# KiCad board corne-chocolate.kicad_pcb (continued)
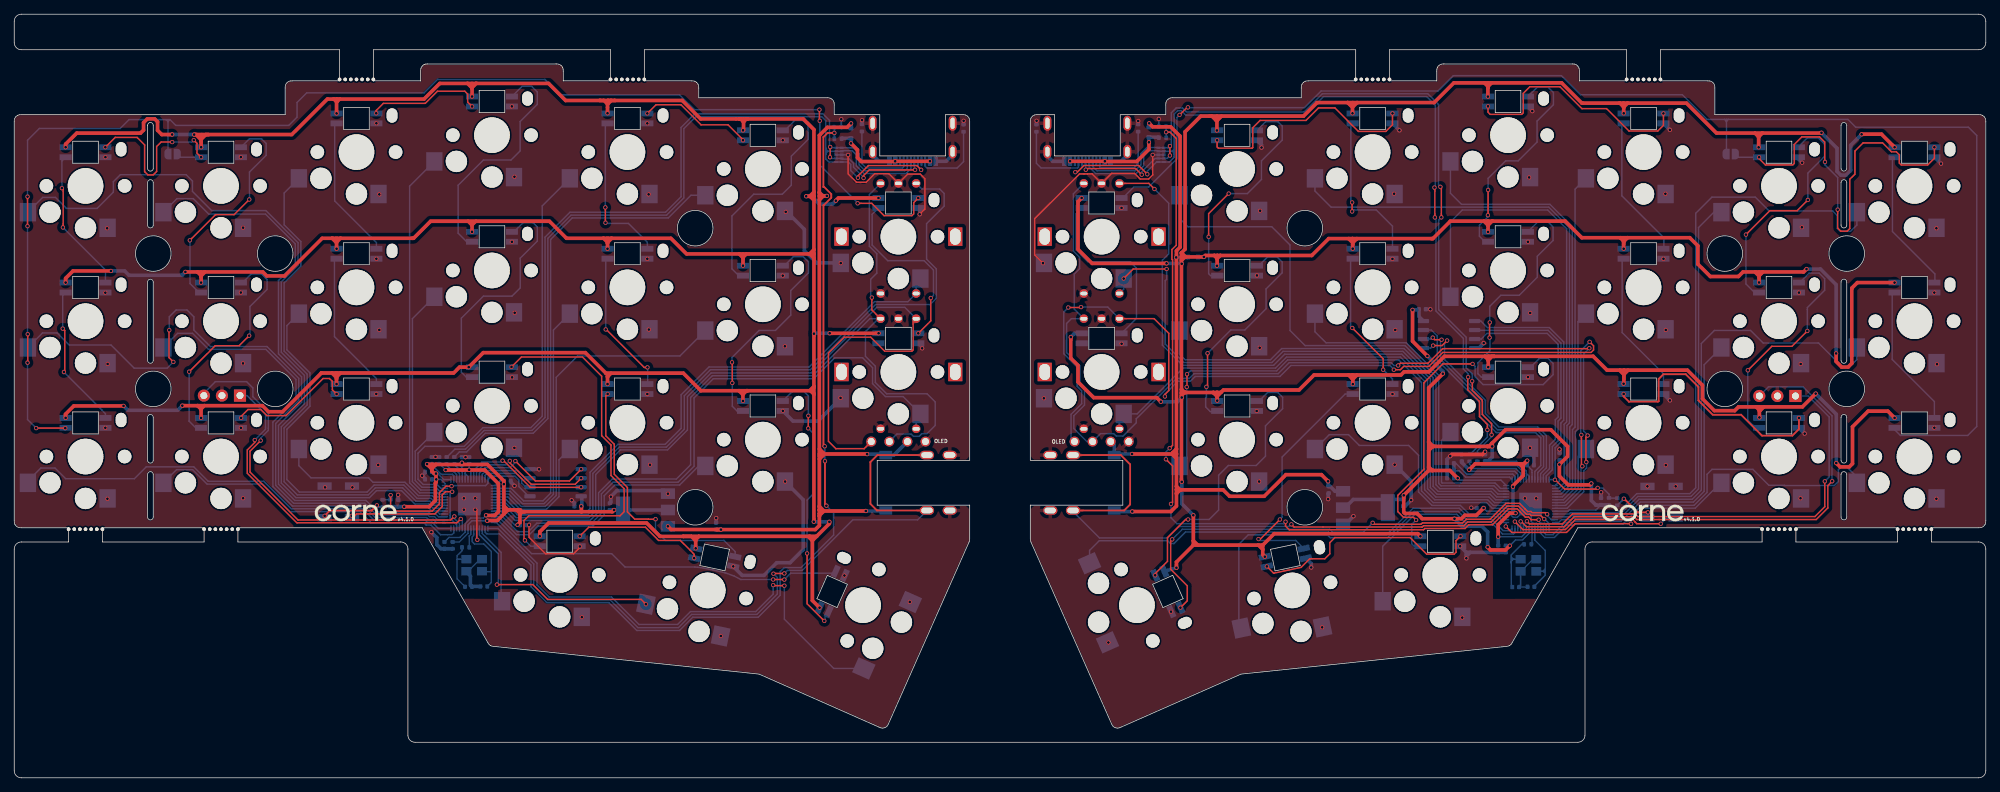
[diagram p0: board, top side]
## Nets
+1V1: C3.1 C4.1 C5.1 U1.23 U1.45 U1.50
+1V1R: rC3.1 rC4.1 rC5.1 rU1.23 rU1.45 rU1.50
+3V3: C7.1 C8.1 C9.1 C10.1 C11.1 C12.1 C13.1 C14.1 C15.1 C16.1 R7.2 U1.1 U1.10 U1.22 U1.32 U1.33 U1.42 U1.43 U1.44 U1.48 U1.49 U2.2 U4.8
+3V3R: rC7.1 rC8.1 rC9.1 rC10.1 rC11.1 rC12.1 rC13.1 rC14.1 rC15.1 rC16.1 rR7.2 rU1.1 rU1.10 rU1.22 rU1.33 rU1.42 rU1.43 rU1.44 rU1.48 rU1.49 rU2.2 rU4.8
+5V: C6.1 D1.2 J2.T J3.3 U2.3 ZD1.1
+5VR: rC6.1 rD1.2 rJ2.T rJ3.3 rU2.3 rZD1.1
GND: C1.2 C2.2 C3.2 C4.2 C5.2 C6.2 C7.2 C8.2 C9.2 C10.2 C11.2 C12.2 C13.2 C14.2 C15.2 C16.2 EXLED1.3 EXLED2.3 EXSW1.C EXSW1.S1 EXSW2.C EXSW2.S1 J1.A1 J1.A12 J1.B1 J1.B12 J1.S1 J2.S J3.4 J4.2 LED1.3 LED2.3 LED3.3 LED4.3 LED5.3 LED6.3 LED7.3 LED8.3 LED9.3 LED10.3 LED11.3 LED12.3 LED13.3 LED14.3 LED15.3 LED16.3 LED17.3 LED18.3 LED19.3 LED20.3 LED21.3 R1.1 R2.1 R9.2 SMDSW1.1 SMDSW2.1 SW1.2 SW2.2 SW3.2 SW4.2 SW5.2 SW6.2 SW7.2 SW8.2 SW9.2 SW10.2 SW11.2 SW12.2 SW13.2 SW14.2 SW15.2 SW16.2 SW17.2 SW18.2 SW19.2 SW20.2 SW21.2 U1.19 U1.57 U2.1 U3.3 U3.8 U4.4 Y1.2 Y1.4
GNDR: rC1.2 rC2.2 rC3.2 rC4.2 rC5.2 rC6.2 rC7.2 rC8.2 rC9.2 rC10.2 rC11.2 rC12.2 rC13.2 rC14.2 rC15.2 rC16.2 rEXLED1.3 rEXLED2.3 rEXSW1.C rEXSW1.S1 rEXSW2.C rEXSW2.S1 rJ1.A1 rJ1.A12 rJ1.B1 rJ1.B12 rJ1.S1 rJ2.S rJ3.4 rJ4.2 rLED1.3 rLED2.3 rLED3.3 rLED4.3 rLED5.3 rLED6.3 rLED7.3 rLED8.3 rLED9.3 rLED10.3 rLED11.3 rLED12.3 rLED13.3 rLED14.3 rLED15.3 rLED16.3 rLED17.3 rLED18.3 rLED19.3 rLED20.3 rLED21.3 rR1.1 rR2.1 rR9.2 rSMDSW1.1 rSMDSW2.1 rSW1.2 rSW2.2 rSW3.2 rSW4.2 rSW5.2 rSW6.2 rSW7.2 rSW8.2 rSW9.2 rSW10.2 rSW11.2 rSW12.2 rSW13.2 rSW14.2 rSW15.2 rSW16.2 rSW17.2 rSW18.2 rSW19.2 rSW20.2 rSW21.2 rU1.19 rU1.32 rU1.57 rU2.1 rU3.3 rU3.8 rU4.4 rY1.2 rY1.4
VBUS: J1.A4 J1.A9 J1.B4 J1.B9 R8.1 ZD1.2
VBUSR: rJ1.A4 rJ1.A9 rJ1.B4 rJ1.B9 rR8.1 rZD1.2
/left/D+: J1.A6 J1.B6 R4.1 U3.1 U3.4 U3.7 U3.10
/left/D-: J1.A7 J1.B7 R5.2 U3.2 U3.5 U3.6 U3.9
/left/KEY1: SW1.1 U1.14
/left/KEY2: SW2.1 U1.12
/left/KEY3: SW3.1 U1.4
/left/KEY4: SW4.1 U1.2
/left/KEY5: SW5.1 U1.41
/left/KEY6: SW6.1 U1.3
/left/KEY7: SW7.1 U1.5
/left/KEY8: SW8.1 U1.18
/left/KEY9: SW9.1 U1.17
/left/KEY10: SW10.1 U1.40
/left/KEY11: SW11.1 U1.39
/left/KEY12: SW12.1 U1.38
/left/KEY13: SW13.1 U1.35
/left/KEY14: SW14.1 U1.36
/left/KEY15: SW15.1 U1.37
/left/KEY16: SW16.1 U1.27
/left/KEY17: SW17.1 U1.29
/left/KEY18: SW18.1 U1.31
/left/KEY19: SW19.1 U1.34
/left/KEY20: SW20.1 U1.30
/left/KEY21: SW21.1 U1.28
/left/KEYEX1: EXSW1.S2 U1.6
/left/KEYEX2: EXSW2.S2 U1.11
/left/LED: LED1.4 U1.13
/left/QSPI_SCLK: U1.52 U4.6
/left/QSPI_SD0: U1.53 U4.5
/left/QSPI_SD1: U1.55 U4.2
/left/QSPI_SD2: U1.54 U4.3
/left/QSPI_SD3: U1.51 U4.7
/left/QSPI_SS: R6.1 R7.1 U1.56 U4.1
/left/RE0A: EXSW1.A U1.7
/left/RE1A: EXSW2.A J3.1 U1.8
/left/REB: EXSW1.B EXSW2.B J3.2 U1.9
/left/SWCLK: J4.1 U1.24
/left/SWD: J4.3 U1.25
/left/TX: J2.R U1.15
/left/USB_VBUS_PIN: R8.2 R9.1 U1.16
/right/D+: rJ1.A6 rJ1.B6 rR4.1 rU3.1 rU3.4 rU3.7 rU3.10
/right/D-: rJ1.A7 rJ1.B7 rR5.2 rU3.2 rU3.5 rU3.6 rU3.9
/right/KEY1: rSW1.1 rU1.30
/right/KEY2: rSW2.1 rU1.34
/right/KEY3: rSW3.1 rU1.38
/right/KEY4: rSW4.1 rU1.39
/right/KEY5: rSW5.1 rU1.3
/right/KEY6: rSW6.1 rU1.40
/right/KEY7: rSW7.1 rU1.31
/right/KEY8: rSW8.1 rU1.28
/right/KEY9: rSW9.1 rU1.27
/right/KEY10: rSW10.1 rU1.41
/right/KEY11: rSW11.1 rU1.2
/right/KEY12: rSW12.1 rU1.4
/right/KEY13: rSW13.1 rU1.5
/right/KEY14: rSW14.1 rU1.6
/right/KEY15: rSW15.1 rU1.7
/right/KEY16: rSW16.1 rU1.29
/right/KEY17: rSW17.1 rU1.17
/right/KEY18: rSW18.1 rU1.12
/right/KEY19: rSW19.1 rU1.11
/right/KEY20: rSW20.1 rU1.14
/right/KEY21: rSW21.1 rU1.18
/right/KEYEX1: rEXSW1.S2 rU1.37
/right/KEYEX2: rEXSW2.S2 rU1.35
/right/LED: rLED1.4 rU1.13
/right/QSPI_SCLK: rU1.52 rU4.6
/right/QSPI_SD0: rU1.53 rU4.5
/right/QSPI_SD1: rU1.55 rU4.2
/right/QSPI_SD2: rU1.54 rU4.3
/right/QSPI_SD3: rU1.51 rU4.7
/right/QSPI_SS: rR6.1 rR7.1 rU1.56 rU4.1
/right/RE0A: rEXSW1.A rU1.36
/right/RE1A: rEXSW2.A rJ3.1 rU1.8
/right/REB: rEXSW1.B rEXSW2.B rJ3.2 rU1.9
/right/SWCLK: rJ4.1 rU1.24
/right/SWD: rJ4.3 rU1.25
/right/TX: rJ2.R rU1.15
/right/USB_VBUS_PIN: rR8.2 rR9.1 rU1.16
Net-(C2-Pad1): C2.1 R3.1 Y1.3
Net-(D1-K): D1.1 EXLED1.1 EXLED2.1 LED1.1 LED2.1 LED3.1 LED4.1 LED5.1 LED6.1 LED7.1 LED8.1 LED9.1 LED10.1 LED11.1 LED12.1 LED13.1 LED14.1 LED15.1 LED16.1 LED17.1 LED18.1 LED19.1 LED20.1 LED21.1
Net-(EXLED1-DIN): EXLED1.4 JP1.2 LED21.2
Net-(EXLED1-DOUT): EXLED1.2 EXLED2.4
Net-(J1-CC1): J1.A5 R1.2
Net-(J1-CC2): J1.B5 R2.2
Net-(JP1-A): JP1.1 LED18.2 LED19.4
Net-(LED1-DOUT): LED1.2 LED2.4
Net-(LED2-DOUT): LED2.2 LED3.4
Net-(LED3-DOUT): LED3.2 LED4.4
Net-(LED4-DOUT): LED4.2 LED5.4
Net-(LED5-DOUT): LED5.2 LED6.4
Net-(LED6-DOUT): LED6.2 LED7.4
Net-(LED7-DOUT): LED7.2 LED8.4
Net-(LED8-DOUT): LED8.2 LED9.4
Net-(LED10-DIN): LED9.2 LED10.4
Net-(LED10-DOUT): LED10.2 LED11.4
Net-(LED11-DOUT): LED11.2 LED12.4
Net-(LED12-DOUT): LED12.2 LED13.4
Net-(LED13-DOUT): LED13.2 LED14.4
Net-(LED14-DOUT): LED14.2 LED15.4
Net-(LED15-DOUT): LED15.2 LED16.4
Net-(LED16-DOUT): LED16.2 LED17.4
Net-(LED17-DOUT): LED17.2 LED18.4
Net-(LED19-DOUT): LED19.2 LED20.4
Net-(LED20-DOUT): LED20.2 LED21.4
Net-(R6-Pad2): R6.2 SMDSW1.2
Net-(rC2-Pad1): rC2.1 rR3.1 rY1.3
Net-(rD1-K): rD1.1 rEXLED1.1 rEXLED2.1 rLED1.1 rLED2.1 rLED3.1 rLED4.1 rLED5.1 rLED6.1 rLED7.1 rLED8.1 rLED9.1 rLED10.1 rLED11.1 rLED12.1 rLED13.1 rLED14.1 rLED15.1 rLED16.1 rLED17.1 rLED18.1 rLED19.1 rLED20.1 rLED21.1
Net-(rEXLED1-DIN): rEXLED1.4 rJP1.2 rLED21.2
Net-(rEXLED1-DOUT): rEXLED1.2 rEXLED2.4
Net-(rJ1-CC1): rJ1.A5 rR1.2
Net-(rJ1-CC2): rJ1.B5 rR2.2
Net-(rJP1-A): rJP1.1 rLED18.2 rLED19.4
Net-(rLED1-DOUT): rLED1.2 rLED2.4
Net-(rLED2-DOUT): rLED2.2 rLED3.4
Net-(rLED3-DOUT): rLED3.2 rLED4.4
Net-(rLED4-DOUT): rLED4.2 rLED5.4
Net-(rLED5-DOUT): rLED5.2 rLED6.4
Net-(rLED6-DOUT): rLED6.2 rLED7.4
Net-(rLED7-DOUT): rLED7.2 rLED8.4
Net-(rLED8-DOUT): rLED8.2 rLED9.4
Net-(rLED10-DIN): rLED9.2 rLED10.4
Net-(rLED10-DOUT): rLED10.2 rLED11.4
Net-(rLED11-DOUT): rLED11.2 rLED12.4
Net-(rLED12-DOUT): rLED12.2 rLED13.4
Net-(rLED13-DOUT): rLED13.2 rLED14.4
Net-(rLED14-DOUT): rLED14.2 rLED15.4
Net-(rLED15-DOUT): rLED15.2 rLED16.4
Net-(rLED16-DOUT): rLED16.2 rLED17.4
Net-(rLED17-DOUT): rLED17.2 rLED18.4
Net-(rLED19-DOUT): rLED19.2 rLED20.4
Net-(rLED20-DOUT): rLED20.2 rLED21.4
Net-(rR6-Pad2): rR6.2 rSMDSW1.2
Net-(rU1-RUN): rSMDSW2.2 rU1.26
Net-(rU1-USB_DM): rR5.1 rU1.46
Net-(rU1-USB_DP): rR4.2 rU1.47
Net-(rU1-XIN): rC1.1 rU1.20 rY1.1
Net-(rU1-XOUT): rR3.2 rU1.21
Net-(U1-RUN): SMDSW2.2 U1.26
Net-(U1-USB_DM): R5.1 U1.46
Net-(U1-USB_DP): R4.2 U1.47
Net-(U1-XIN): C1.1 U1.20 Y1.1
Net-(U1-XOUT): R3.2 U1.21

Pads without a net: EXLED2 2; J1 A8 B8; rEXLED2 2; rJ1 A8 B8

## Via types
v1: diameter 0.6, hole 0.4, Top to Bottom, 429 vias

## Routing (per net, layer and track width the routed paths; a pad name or vN(x,y) marks a point on that pad's centre or on a via; arc(x,y) is an arc through that point)
+1V1: length 29.3
  Top w0.203: 63.04,43.32 63.92,43.32 v1(63.97,43.37)
  Top w0.508: 66.35,36.92 67.56,36.92 68.09,37.45 68.09,41.39 66.16,43.32 v1(60.66,43.32)
  Bottom w0.203: v1(63.97,43.37) 63.97,43.32 ; 63.97,43.32 63.97,44.18 ; 63.97,43.32 64.21,43.08 U1.50 ; v1(66.34,36.95) 65.96,36.57 64.2,36.57 63.41,35.79 63.41,35.49 63.41,35.48 U1.23 63.41,34.58 62.66,33.83 61.13,33.83 C3.1 ; 59.8,44.19 60.66,43.33 v1(60.66,43.32) 60.86,43.13 61.76,43.13 62.21,42.68 U1.45
+1V1R: length 41.2
  Top w0.508: v1(210.74,40.97) 210.74,41.11 212.18,42.55 212.18,43.53 ; 212.18,43.53 212.18,44.08 v1(212.75,44.65) 212.3,44.19 211.64,44.19 ; 212.18,43.53 212.18,43.65 211.64,44.19 ; v1(204.58,43.35) 205.42,44.19 211.64,44.19 ; v1(208.67,33.93) 208.67,35.63 210.29,37.26 v1(211.1,37.26)
  Bottom w0.203: v1(208.67,33.93) 211.97,33.93 212.62,34.58 rU1.23 ; v1(204.58,43.35) 204.78,43.15 204.97,43.15 204.98,43.14 210.99,43.14 211.42,42.71 211.42,42 ; rC4.1 213.42,43.3 213.42,42.97 213.43,42.96 213.43,42.41 213.42,42.4 213.42,42
  Bottom w0.508: rC5.1 203.55,44.39 v1(204.58,43.35) ; v1(212.75,44.65) 212.73,44.62 rC4.1 ; v1(211.1,37.26) 210.75,37.61 210.75,40.96 v1(210.74,40.97) ; v1(208.67,33.93) 208.67,32.69
+3V3: length 100.3
  Top w0.203: 58.74,43.16 58.72,43.16 ; v1(59.31,42.83) 59.06,42.83 ; 62.95,44.14 62.91,44.11 ; 58.09,44.11 v1(58.04,44.16)
  Top w0.508: 71.11,37.13 71.11,35.94 v1(70.77,35.61) ; 71.11,37.13 71.11,37.23 70.61,37.72 ; 71.11,37.13 71.43,37.46 71.73,37.46 ; 71.11,37.13 71.11,37.72 ; 69.42,37.72 69.42,37.71 68.85,37.14 ; 69.42,37.72 69.41,37.72 68.85,38.28 ; 69.42,37.72 68.85,37.72 ; 69.42,37.72 70.61,37.72 ; 62.98,44.11 66.53,44.11 C14.1 v1(68.85,41.33) 68.85,38.28 ; 58.72,43.62 58.58,43.62 58.09,44.11 59.3,44.11 ; 58.72,43.62 58.72,44.09 ; 58.72,43.62 58.8,43.62 59.3,44.11 ; 58.72,43.62 58.72,43.16 ; 71.73,37.46 79.75,37.46 ; 71.73,37.46 71.37,37.46 71.11,37.72 ; 68.85,37.14 68.85,37.72 ; 68.85,37.14 67.93,36.23 66.55,36.23 v1(66.5,36.18) ; 68.85,37.72 68.85,38.28 ; 79.75,37.46 79.75,38.19 v1(79.73,38.21) ; 79.75,37.46 84.11,37.46 v1(84.36,37.7) 84.27,37.7 ; v1(59.31,42.83) 59.31,41.57 59.22,41.48 59.22,39.02 58.36,38.16 54.84,38.16 v1(54.84,38.16) ; 59.3,44.11 62.91,44.11 ; 71.11,37.72 70.61,37.72 ; 59.06,42.83 58.74,43.16
  Bottom w0.203: U1.43 60.4,41.98 59.55,42.83 v1(59.31,42.83) ; v1(66.5,36.18) 64.36,36.18 63.81,35.62 U1.22 63.81,34.41 62.59,33.2 C7.1 ; v1(70.77,35.61) 70.39,35.61 68.45,37.54 U1.10 ; U1.32 59.82,37.14 59.43,37.52 59.43,37.54 ; 58.72,44.03 60.03,42.72 61.61,42.72 61.81,42.53 U1.44 ; v1(59.35,42) 60,42 60.57,41.44 U1.42 ; 59.43,37.54 59.42,37.55 58.73,37.55 58.13,38.15 54.85,38.15 v1(54.84,38.16) ; 59.43,37.54 59.44,37.55 59.66,37.55 60.56,37.55 U1.33 ; C15.1 62.95,43.61 63.41,43.15 ; U1.1 67.66,41.14 68.35,41.83 68.82,41.83 ; U1.49 63.81,42.42 63.41,42.82 63.41,43.15 ; 63.41,43.15 U1.48
  Bottom w0.508: 83.76,37.7 C11.1 ; 83.76,37.7 U2.2 U2.2 ; 83.76,37.7 v1(84.36,37.7) ; v1(70.77,35.61) 71.08,35.61 C9.1 ; v1(79.73,38.21) 79.81,38.29 79.81,39.54 U4.8 ; 52.94,38.16 C10.1 v1(54.84,38.16) ; C13.1 58.98,42.83 v1(59.31,42.83) ; v1(68.85,41.33) C14.1 ; 62.95,43.94 C15.1 ; v1(59.35,42) C12.1 ; v1(58.04,44.16) 58.68,44.16
  vias: v1(62.95,44.36)
+3V3R: length 174.7
  Top w0.508: 198.89,43.26 195.39,39.76 v1(195.39,39.76) 195.39,37.4 195.57,37.21 197.25,37.21 197.99,36.47 v1(202.52,36.47) 203.49,36.47 203.97,36.95 205.58,36.95 v1(206.61,37.98) ; 198.89,43.26 198.89,43.75 ; 198.89,43.26 199.49,43.26 ; 198.89,43.26 198.89,47.28 ; 198.89,47.28 198.89,54.89 v1(200.88,56.88) ; 198.89,47.28 199.52,46.65 199.59,46.65 ; 207.14,46.64 207.13,46.65 199.59,46.65 ; 207.14,46.64 v1(207.83,46.64) 207.83,47.13 ; 207.14,46.64 207.34,46.64 207.83,47.13 ; 207.83,47.13 209.69,48.99 216.07,48.99 218.42,46.64 218.42,45.25 v1(217.27,44.1) 217.27,42.47 218.51,41.23 221.56,41.23 v1(221.76,41.43) ; 199.59,46.65 199.45,46.65 198.89,46.09 198.89,43.75 ; 198.89,43.75 199.38,43.26 199.49,43.26 ; v1(198.71,59.37) 196.62,61.46 v1(196.62,65.87) ; v1(207.18,32.48) 207.59,32.06 209.69,32.06 v1(210.3,32.67) ; 199.49,43.26 201.87,43.26 v1(202.97,42.16) 202.98,42.16
  Bottom w0.203: rC8.1 202.71,44.27 204.23,42.75 210.7,42.75 211.02,42.43 211.02,42 ; 213.02,42 213.02,42.45 212.62,42.85 ; rU1.22 213.02,34.43 212.08,33.49 211.11,33.49 v1(210.3,32.67) 209.77,32.67 209.75,32.69 ; rU1.1 217.27,41.75 v1(217.27,44.1) 217.27,44.7 rC14.1 ; 212.62,42 212.62,43.17 211.23,44.56 rC15.1 ; 210.6,41.98 210.25,42.32 204.08,42.32 203.19,43.21 rC13.1 ; v1(206.61,37.98) 207.05,37.54 rU1.33 ; rC9.1 222.4,37.7 218.66,37.7 218.5,37.54 rU1.10 ; 224.21,38.42 rR7.2 ; v1(202.97,42.16) 203.23,41.9 209.05,41.9 209.79,41.16
  Bottom w0.508: v1(196.62,65.87) 197.43,65.87 rC16.1 197.52,64.93 rU4.8 ; 195.3,39.18 188.29,39.18 187.14,38.03 rU2.2 ; v1(202.52,36.47) 202.61,36.38 202.61,36.36 203.56,35.41 206.38,35.41 207.18,34.61 v1(207.18,32.48) ; v1(202.97,42.16) rC12.1 202.44,44.26 rC8.1 ; v1(200.88,56.88) 200.88,57.2 v1(198.71,59.37) ; rC11.1 195.39,39.27 v1(195.39,39.76) ; rR7.2 222.45,38.38 222.43,38.39 222.4,38.39 221.76,39.03 v1(221.76,41.43) ; 224.21,38.42 rC9.1 223.12,38.42 ; v1(207.83,46.64) 207.83,45.17 207.22,44.56 rC15.1
+5V: length 114.6
  Top w0.203: 113.23,81.91 113.22,81.92 ; v1(99.38,34.94) 98.7,34.94
  Top w0.508: 113.85,37.56 113.22,38.19 ; 113.85,37.56 113.34,37.56 113.22,37.69 ; 113.85,37.56 119.75,37.56 v1(119.75,37.56) ; 113.85,37.56 113.22,36.92 113.22,36.82 ; 113.22,38.19 113.22,37.69 ; 113.22,38.19 113.22,44.86 ; 113.22,37.69 113.21,37.68 113.21,37.18 113.22,37.17 113.22,36.82 ; 113.22,36.82 113.22,35.52 112.64,34.94 98.7,34.94 ; 113.74,81.91 113.69,81.91 113.21,82.39 ; 113.74,81.91 v1(114.27,81.91) ; 113.74,81.91 113.74,81.88 113.22,81.35 ; 113.74,81.91 113.23,81.91 ; 113.78,45.58 113.78,45.73 113.22,46.29 ; 113.78,45.58 113.78,45.43 113.22,44.86 ; 113.78,45.58 113.22,45.58 113.22,45.25 ; 113.78,45.58 119.92,45.58 v1(119.93,45.57) ; 113.22,81.35 113.22,46.29 ; 113.22,81.35 113.22,82.38 113.21,82.39 ; 113.22,46.29 113.22,45.25 ; 113.22,45.25 113.22,44.86 ; v1(91.92,35.4) 92.37,34.94 99.37,34.94 v1(99.38,34.94) ; 113.21,82.39 113.21,90.42 114.35,91.57 117.12,91.57 v1(117.68,92.12)
  Bottom w0.203: 98.69,34.95 C6.1
  Bottom w0.508: v1(99.38,34.94) 99.37,34.95 98.69,34.95 ; ZD1.1 117.68,91.46 v1(117.68,92.12) ; v1(119.75,37.56) 122.47,37.56 J2.T ; J3.3 123.7,45.43 J2.T 122.41,45.57 v1(119.93,45.57) ; D1.2 v1(114.27,81.91)
+5VR: length 109.5
  Top w0.508: 162.88,45.58 162.88,45.5 163.42,44.95 ; 162.88,45.58 163.4,45.58 163.42,45.56 ; 162.88,45.58 v1(157.18,45.58) ; 162.88,45.58 162.88,45.75 163.42,46.29 ; 163.42,45.56 163.42,46.29 ; 163.42,45.56 163.42,44.95 ; 163.42,40.54 163.42,40 ; 163.42,40.54 163.42,41.04 ; 163.42,40.54 164.1,40.54 ; 163.42,40 163.92,40.5 163.92,40.54 ; 163.42,40 163.42,38.27 162.64,37.48 v1(157.21,37.48) ; 163.42,46.29 163.42,73.25 ; 163.42,73.25 163.42,74.19 163.93,74.7 163.93,90.32 162.61,91.64 160.08,91.64 v1(159.59,92.13) ; 163.42,73.25 v1(163.38,73.25) ; 163.42,44.95 163.42,41.04 ; 163.42,41.04 163.92,40.54 ; 163.92,40.54 164.1,40.54 ; 164.1,40.54 169.98,40.54 170.89,39.63 175.77,39.63 178.81,42.67 183.81,42.67 v1(184.75,41.73)
  Bottom w0.508: rZD1.1 159.59,91.61 v1(159.59,92.13) ; v1(163.38,73.25) 165,73.25 rD1.2 ; rJ3.3 154.68,46.82 rJ2.T 154.83,45.58 v1(157.18,45.58) ; v1(184.75,41.73) 184.75,41.1 rC6.1 185.03,41.02 185.72,40.33 rU2.3 ; rJ2.T 154.83,37.48 v1(157.21,37.48)
GND: length 123.4
  Top w0.203: v1(79.53,32.56) 79.53,32.41 78.66,31.54 74.73,31.54 72.39,33.88 v1(72.39,35.61) ; v1(117.26,87.68) 117.26,85.01 118.43,83.83 119.79,83.83 120.99,85.03 122.97,85.03 EXSW1.C 125.63,84.98 127.41,84.98 128.05,84.34 128.05,80.06 v1(127.31,79.32) ; v1(65.12,33.5) 65.05,33.58 65.05,37.74 v1(64.83,37.74)
  Bottom w0.203: U1.19 65.01,33.62 v1(65.12,33.5) ; U3.3 U3.8 117.25,87.69 v1(117.26,87.68) ; 63.7,28.96 65.4,30.66 ; 64,28.56 63.58,28.98
  Bottom w0.25: C12.2 57.78,42.12 ; 53.99,39.14 C10.2 ; C13.2 57.78,42.94 ; R9.2 v1(116.3,92.71)
  Bottom w0.508: C9.2 72.12,35.61 v1(72.39,35.61) ; C6.2 98.7,36.54 v1(98.71,36.55) ; J1.A1 121.56,86.79 120.71,87.65 J1.S1 ; C4.2 63.47,45.14 v1(63.46,45.13) 62.96,45.13 C15.2 ; v1(58.66,34.57) 59.43,33.8 59.43,32.82 60.01,32.24 C3.2 C7.2 ; v1(91.92,40) 91.48,40.43 84.75,40.43 v1(83.89,39.57) 83.89,38.8 C11.2 ; R1.1 119.22,92.02 v1(119.22,92.58) ; EXLED1.3 127.31,80.03 v1(127.31,79.32) ; v1(53.99,39.83) 53.99,39.14 ; SW2.2 110.94,39.14 110.94,32.12 109.09,30.27 107.21,30.27 105.43,28.49 102.35,28.49 LED8.3 ; LED2.3 109.5,50.22 113.01,50.22 EXSW2.S1 ; 57.78,42.94 v1(57.37,42.53) 57.78,42.12 ; v1(127.67,60.45) 127.67,60.62 EXLED2.3 ; v1(70.34,41.1) 69.81,41.64 C14.2 ; 64,28.56 64.15,28.41 64.15,27.1 C2.2 64.4,26.93 C1.2 ; v1(108.48,79.67) 108.63,79.67 111.1,77.2 111.1,74.21 112.84,72.48 EXSW1.S1 ; J1.S1 131.95,87.69 131.05,86.79 J1.A12 ; C5.2 59.74,45.17 v1(59.24,45.17) 58.73,45.17 C8.2 ; v1(73.8,43.42) 73.78,43.44 U4.4 ; C16.2 78.77,38.68 v1(78.38,39.07) ; v1(133.5,92.49) 133.5,91.97 R2.1
  vias: v1(12.83,87.36) v1(12.82,68.29) v1(12.82,49.27) v1(13.07,77.35) v1(13.13,58.25) v1(13.11,39.28) v1(31.87,87.37) v1(31.87,68.31) v1(31.88,49.26) v1(32.18,77.44) v1(32.17,58.33) v1(32.19,39.35) v1(43.71,40.88) v1(47.56,40.88) v1(50.93,92.13) v1(50.93,73.07) v1(50.92,54.03) v1(51.18,44.04) v1(51.34,82.12) v1(51.34,63.04) v1(63.23,39.34) v1(63.23,37.74) v1(64.83,39.34) v1(69.98,94.51) v1(69.98,75.45) v1(70.01,56.36) v1(70.34,84.61) v1(70.33,46.44) v1(70.37,65.46) v1(79.81,22.6) v1(89.03,92.12) v1(89.03,73.06) v1(89.03,54.02) v1(89.2,82.12) v1(89.23,63.1) v1(89.4,44.06) v1(99.36,19.96) v1(101.11,29.75) v1(108.07,89.74) v1(108.07,70.69) v1(108.08,51.65) v1(108.35,60.74) v1(108.4,41.7) v1(116.22,72.44) v1(116.19,53.47) v1(116.74,28.47) v1(125.92,24.75)
GNDR: length 100.4
  Top w0.203: v1(144.66,72.44) 143.49,73.61 143.49,78.71 149.8,85.01 150.42,85.01 150.42,85.01 150.92,85.01 150.92,85.01 151.57,85.01 rEXSW1.C 154.3,85.08 157.52,85.08 158.31,84.29 159.52,84.29 160.09,84.86 160.09,87.68 v1(160.08,87.69)
  Top w0.508: v1(201.93,45.29) 202.14,45.5 206.43,45.5 v1(206.83,45.9)
  Bottom w0.203: 212.85,94.46 rLED12.3 ; rU3.3 rU3.8 160.08,87.69 v1(160.08,87.69) ; 213.57,30.76 211.87,29.06 ; rY1.2 211.82,27.07 rC2.2 212.76,26.85 ; v1(232.81,53.12) 232.8,53.12 ; rU1.32 210.3,37.14 210.78,36.67 211.35,36.67 211.82,37.14 ; rU1.57 213.3,38.46 213.3,36.08 213.55,35.83 214.01,35.83 214.22,35.62 rU1.19 ; 270.03,87.36 rLED19.3
  Bottom w0.25: rC10.2 204.93,37.98 v1(204.88,38.03) ; 199.11,65.96 v1(199.13,65.94) ; rR9.2 v1(160.94,92.75)
  Bottom w0.508: v1(204.19,30.89) 204.18,30.9 204.18,31.36 ; rR1.1 143.76,91.98 v1(143.76,92.49) ; 204.18,31.36 204.35,31.36 204.72,31.73 ; 204.18,31.36 204.18,31.73 ; rC4.2 213.69,45.93 rSW10.2 ; rJ1.S1 156.52,87.65 155.66,86.79 rJ1.A12 ; rC15.2 206.82,45.89 v1(206.83,45.9) ; 204.18,31.73 204.72,31.73 ; 204.18,31.73 v1(203.33,32.59) ; 204.72,31.73 rC3.2 209.73,31.73 ; v1(188.31,36.82) 187.22,35.73 rU2.1 ; v1(223.14,40.19) 223.13,40.18 rC9.2 ; rC6.2 184.76,39.99 v1(184.76,39.23) ; v1(217.28,46.23) 217.28,45.71 rC14.2 ; rU4.4 205.94,60.49 v1(206.63,61.18) ; 232.8,53.12 rLED15.3 ; rLED4.3 175.39,89.11 v1(175.39,88.72) ; 147.64,86.78 146.02,86.78 145.28,87.52 rJ1.S1 ; v1(182.38,29.61) 182.38,30.15 rLED8.3 ; v1(213.47,93.84) 212.85,94.46 ; v1(251.4,86.6) 250.95,87.05 rLED18.3 ; rC5.2 202.16,45.52 v1(201.93,45.29) 201.47,44.83 rC8.2 201.48,44.26 rC12.2 ; v1(194.78,91.14) rLED5.3 ; v1(232.81,91.21) rLED13.3 ; rR2.1 158.05,91.99 v1(158.05,92.46) ; v1(251.76,48.46) rLED16.3 ; rC16.2 199.11,65.96 ; 195.32,38.24 195.59,38.24 v1(196.43,39.09) 196.43,41.76 v1(194.1,44.09) ; v1(270.93,86.46) 270.03,87.36
  vias: v1(144.78,53.42) v1(153.86,19.04) v1(155.7,80.22) v1(155.71,61.1) v1(162.66,23.39) v1(174.75,70.71) v1(174.7,51.63) v1(175.05,41.7) v1(175.13,60.54) v1(175.2,79.82) v1(183.92,21.17) v1(193.8,73.04) v1(193.8,54.02) v1(194.03,82.22) v1(194.2,63.04) v1(203.62,22.55) v1(212.42,39.33) v1(212.85,75.45) v1(212.85,56.4) v1(213.02,84.51) v1(213.13,46.44) v1(213.17,65.43) v1(214.02,39.33) v1(229.65,41.02) v1(231.91,73.06) v1(232.18,82.22) v1(232.23,63.04) v1(232.23,44.01) v1(233.62,41.02) v1(250.96,68.3) v1(251.2,58.25) v1(251.18,39.35) v1(251.36,77.49) v1(270,68.3) v1(270,49.28) v1(270.29,77.35) v1(270.29,39.28) v1(270.37,58.21)
VBUS: length 14.9
  Top w0.203: v1(123.88,86.79) 123.83,86.75
  Top w0.508: 123.83,86.75 119.12,86.75 118.57,87.29 118.57,88.4 v1(117.66,89.31) ; v1(123.88,86.79) v1(128.78,86.79)
  Bottom w0.508: v1(117.66,89.31) 117.69,89.34 117.69,89.99 ZD1.2 116.41,90.03 R8.1
VBUSR: length 15
  Top w0.508: v1(159.56,89.46) 159.56,88.47 157.84,86.75 153.39,86.75 v1(153.35,86.79) v1(148.45,86.79)
  Bottom w0.508: v1(159.56,89.46) rZD1.2 160.87,90.18 rR8.1
/left/D+: length 132.5
  Top w0.203: v1(118.64,84.46) 118.64,84.72 120.11,86.18 126.93,86.18 v1(127.53,85.58)
  Bottom w0.203: 114.12,87.75 114.12,87.11 114.55,86.68 115.57,86.68 ; 114.12,87.75 114.12,88.19 ; 114.12,87.75 114.12,87.89 114.41,88.19 ; v1(127.53,85.58) 127.08,86.04 J1.B6 ; U3.1 U3.10 117.28,86.69 117.62,86.34 117.62,85.48 v1(118.64,84.46) ; 114.41,88.19 114.12,88.48 114.12,88.65 ; 114.41,88.19 U3.4 U3.7 116.44,88.28 117.82,88.28 118.41,87.7 118.41,86.13 119.48,85.07 125.4,85.07 126.09,85.75 126.09,86.78 ; 114.41,88.19 114.12,88.19 ; 114.12,88.19 114.12,88.65 ; 114.12,88.65 114.12,92.51 113.55,93.07 95.85,93.07 94.16,91.38 94.16,81.64 91.73,79.21 78.3,79.21 75.03,75.94 75.03,50.56 72.97,48.5 66.24,48.5 63.61,45.87 62.59,45.87 R4.1
/left/D-: length 129.7
  Top w0.203: v1(126.67,85.59) 126.65,85.57 120.23,85.57 119.43,84.77 v1(119.43,84.43) ; v1(114.73,88.81) 114.73,87.38 v1(114.71,87.35)
  Bottom w0.203: v1(114.71,87.35) 114.87,87.19 U3.2 U3.9 116.44,87.09 117.43,87.09 118.02,86.51 118.02,85.95 119.43,84.54 v1(119.43,84.43) ; U3.6 U3.5 114.85,88.69 114.65,88.89 114.65,92.54 113.72,93.46 95.68,93.46 93.77,91.55 93.77,81.8 91.58,79.61 78.15,79.61 74.64,76.1 74.64,50.73 72.81,48.9 66.08,48.9 63.45,46.27 61.97,46.27 60.86,45.15 ; 116.35,88.68 117.98,88.68 118.8,87.86 118.8,86.3 119.64,85.46 125.24,85.46 125.58,85.8 J1.B7 ; 126.56,86.77 126.56,85.71 v1(126.67,85.59)
/left/KEY1: length 70.4
  Top w0.203: v1(106.71,27.13) 106.79,27.04 v1(108.29,27.04)
  Bottom w0.203: U1.14 67.77,35.94 73.51,30.2 73.51,27.16 75.22,25.45 83.97,25.45 87.84,21.58 93.28,21.58 95.09,23.39 104.26,23.39 106.71,25.85 v1(106.71,27.13) ; v1(108.29,27.04) 108.29,22.33 115.23,15.39 SW1.1
/left/KEY2: length 36.4
  Bottom w0.203: U1.12 68.12,36.74 70.64,34.22 72.43,34.22 73.65,35.44 81.38,35.44 82.96,37.02 82.96,39.71 84.47,41.22 93.57,41.22 96.25,43.9 SW2.1
/left/KEY3: length 50.5
  Bottom w0.203: U1.4 69.56,39.94 71.3,38.2 74.67,38.2 76.21,39.74 76.21,56.37 79.22,59.38 93.61,59.38 SW3.1
/left/KEY4: length 69.2
  Bottom w0.203: 97.18,82 95.16,82 91.97,78.81 78.46,78.81 75.42,75.78 75.42,40.07 74.34,38.98 71.62,38.98 69.87,40.74 U1.2
/left/KEY5: length 62.7
  Bottom w0.203: SW5.1 74.24,80.51 74.24,50.89 72.65,49.29 65.91,49.29 63.28,46.66 57.74,46.66 56.77,45.7 56.77,42.01 57.49,41.29 59.44,41.29 59.99,40.74 U1.41
/left/KEY6: length 36
  Bottom w0.203: U1.3 69.71,40.34 71.46,38.59 74.5,38.59 75.82,39.9 75.82,63.03 SW6.1
/left/KEY7: length 19.4
  Bottom w0.203: U1.5 67.45,39.54 69.4,39.54 71.14,37.8 74.83,37.8 76.6,39.58 76.6,44.76 79.14,47.3
/left/KEY8: length 31.2
  Top w0.203: v1(88.82,24.43) 88.14,25.11 75,25.11 72.92,27.19 v1(67.87,27.19)
  Bottom w0.203: v1(67.87,27.19) 68.07,27.39 68.07,31.54 65.41,34.2 U1.18
/left/KEY9: length 11.4
  Bottom w0.203: SW9.1 68.46,24.99 68.46,31.73 65.81,34.39 U1.17
/left/KEY10: length 12.7
  Bottom w0.203: U1.40 59.83,40.34 59.27,40.9 57.33,40.9 56.38,41.85 56.38,45.97 SW10.1
/left/KEY11: length 32.6
  Bottom w0.203: SW11.1 55.99,64.63 55.99,41.69 57.17,40.51 59.11,40.51 59.67,39.94 U1.39
/left/KEY12: length 52.5
  Bottom w0.203: SW12.1 55.6,83.29 55.6,41.52 57,40.12 58.94,40.12 59.52,39.54 U1.38
/left/KEY13: length 73
  Bottom w0.203: SW13.1 37.96,82.32 37.96,77.83 40.31,75.48 40.31,72.03 37.95,69.66 37.95,60.07 41.19,56.82 41.19,52.49 37.95,49.24 37.95,41.68 39.79,39.83 49.79,39.83 50.77,40.82 54.62,40.82 56.5,38.94 58.45,38.94 59.04,38.35 60.56,38.35 U1.35
/left/KEY14: length 52.6
  Bottom w0.203: U1.36 59.21,38.74 58.62,39.33 56.66,39.33 54.78,41.21 50.61,41.21 49.63,40.22 40.09,40.22 38.34,41.98 38.34,49.07 41.59,52.31 41.59,56.99 38.34,60.24 38.34,63.65 41.04,66.35
/left/KEY15: length 24.9
  Bottom w0.203: SW15.1 40.03,43.93 41.74,42.22 49.83,42.22 50.45,41.6 54.94,41.6 56.82,39.72 58.78,39.72 59.35,39.15 60.56,39.15 U1.37
/left/KEY16: length 46.1
  Bottom w0.203: SW16.1 22.83,43.38 25.08,43.38 27.12,41.34 34.92,41.34 38.79,37.47 48.62,37.47 50.25,35.85 57.65,35.85 57.91,35.58 58.59,35.58 59.95,34.22 60.97,34.22 60.97,34.23 61.55,34.23 61.81,34.48 U1.27
/left/KEY17: length 64.9
  Bottom w0.203: U1.29 59.35,35.94 58.92,36.37 58.24,36.37 57.98,36.63 50.76,36.63 49.14,38.26 39.12,38.26 36.37,41 36.37,50.07 39.62,53.32 39.62,56.07 35.38,60.31 27.33,60.31 25.07,62.57 22.97,62.57 SW17.1
/left/KEY18: length 84.8
  Bottom w0.203: SW18.1 22.88,81.53 25.18,81.53 27.36,79.35 35.33,79.35 39.52,75.16 39.52,72.37 37.16,70.01 37.16,59.69 40.41,56.44 40.41,52.86 37.16,49.61 37.16,41.33 39.44,39.04 49.46,39.04 51.09,37.42 58.3,37.42 58.57,37.16 59.24,37.16 59.66,36.74 U1.31
/left/KEY19: length 109.9
  Bottom w0.203: U1.34 59.67,37.94 58.89,37.94 58.29,38.54 56.34,38.54 54.46,40.42 50.94,40.42 49.95,39.44 39.61,39.44 37.55,41.49 37.55,49.41 40.8,52.66 40.8,56.66 37.55,59.91 37.55,69.83 39.91,72.19 39.91,75.32 35.39,79.84 27.77,79.84 25.06,82.55 25.06,84.01 24.17,84.9 14.92,84.9 13.94,83.92 13.94,82.45 11.65,80.15 7.35,80.15 5.8,81.7 4.01,81.7 SW19.1
/left/KEY20: length 96.2
  Top w0.203: v1(22.38,58.54) 21.76,59.16 21.76,62.98 v1(21.8,63.02)
  Bottom w0.203: SW20.1 3.98,62.62 6.04,62.62 7.74,60.92 13.61,60.92 16.86,57.67 21.51,57.67 v1(22.38,58.54) ; U1.30 60.12,36.34 60.11,36.35 59.5,36.35 59.08,36.76 58.4,36.76 58.14,37.03 50.93,37.03 49.3,38.65 39.28,38.65 36.77,41.17 36.77,49.88 40.01,53.12 40.01,56.23 35.54,60.71 27.58,60.71 25.26,63.03 25.26,64.89 24.29,65.86 22.76,65.86 21.8,64.9 v1(21.8,63.02)
/left/KEY21: length 65.4
  Bottom w0.203: SW21.1 1.93,41.79 3.74,43.6 5.74,43.6 7.24,42.1 16.9,42.1 18.56,43.77 25.25,43.77 27.28,41.74 35.08,41.74 38.96,37.86 48.98,37.86 50.6,36.24 57.81,36.24 58.08,35.98 58.75,35.98 59.63,35.1 U1.28
/left/KEYEX1: length 79.6
  Bottom w0.203: U1.6 69.19,39.14 70.92,37.41 80.48,37.41 80.97,37.9 80.97,43.01 84.9,46.94 91.53,46.94 93.78,49.19 93.78,53.92 97.69,57.83 111.78,57.83 120.96,67.01 125.65,67.01 126.83,68.19 126.83,69.18
/left/KEYEX2: length 84.7
  Bottom w0.203: 67.94,37.13 68.28,37.13 70.76,34.65 72.3,34.65 73.48,35.84 81.15,35.84 82.56,37.25 82.56,39.97 84.21,41.61 93.35,41.61 95.6,43.86 95.6,53.48 98.29,56.17 112.41,56.17 115.36,59.12 119.3,59.12 120.69,57.73 120.69,55.48 122.51,53.66 124.99,53.66 EXSW2.S2 ; U1.11 67.94,37.14
  Bottom w0.25: EXSW2.S2 126.83,50.63 126.83,49.73
/left/LED: length 51.6
  Top w0.203: v1(106.71,27.91) 108.28,27.91 v1(108.29,27.9)
  Bottom w0.203: v1(106.71,27.91) 102.16,27.91 101.23,28.4 100.05,28.83 99.87,28.88 98.22,29.26 96.54,29.59 96.09,29.64 95.71,29.67 85.88,29.67 84.01,31.55 72.76,31.55 67.96,36.34 U1.13 ; LED1.4 115.25,28.8 109.19,28.8 v1(108.29,27.9)
/left/QSPI_SCLK: length 18.3
  Top w0.203: v1(69.68,44.61) 69.68,44.34 72.7,41.32 78.87,41.32 v1(79.72,42.17)
  Bottom w0.203: U1.52 65.01,43.07 65.99,44.06 69.12,44.06 v1(69.68,44.61)
/left/QSPI_SD0: length 17.9
  Top w0.203: v1(70.47,44.59) 70.47,44.59 73.27,41.79 78.08,41.79 79.72,43.43 v1(79.72,43.44)
  Bottom w0.203: U1.53 65.41,42.87 66.2,43.66 69.72,43.66 70.35,44.29 70.35,44.47 v1(70.47,44.59)
/left/QSPI_SD1: length 8.2
  Bottom w0.203: U1.55 66.21,42.56 66.5,42.85 70.57,42.85 71.35,42.07 71.35,41.5 71.95,40.9 U4.2
/left/QSPI_SD2: length 8.1
  Bottom w0.203: U1.54 65.81,42.72 66.33,43.25 70.74,43.25 71.81,42.17 U4.3
/left/QSPI_SD3: length 18.5
  Top w0.203: v1(79.72,40.9) 79.7,40.88 72.57,40.88 68.81,44.65 v1(68.67,44.65)
  Bottom w0.203: v1(68.67,44.65) 68.47,44.45 65.78,44.45 64.61,43.27 U1.51
/left/QSPI_SS: length 28.2
  Top w0.203: v1(52.93,39.8) 52.93,38.27 53.65,37.55 58.76,37.55 59.79,38.57 59.79,40.14 60.7,41.05 v1(61.5,41.05)
  Bottom w0.203: R6.1 R7.1 52.93,39.17 ; U4.1 72.32,39.63 70.96,41 70.96,41.91 70.41,42.46 67.09,42.46 U1.56 66.61,41.46 66.28,41.13 61.64,41.13 61.55,41.05 v1(61.5,41.05)
  Bottom w0.508: v1(52.93,39.8) 52.93,39.17
/left/RE0A: length 102.2
  Bottom w0.203: EXSW1.A 127.62,82.89 130.13,82.89 130.76,82.26 130.76,80.48 128.29,78.01 128.29,73 129.65,71.64 129.65,67.49 128.79,66.62 121.12,66.62 111.94,57.44 97.89,57.44 94.22,53.77 94.22,49.07 91.7,46.55 85.06,46.55 81.36,42.85 81.36,37.74 80.64,37.02 70.76,37.02 69.03,38.74 U1.7
/left/RE1A: length 116.3
  Top w0.203: J3.1 119.52,46.33 115.53,46.33 114.49,47.37 114.49,59.8 116.72,62.03 120.42,62.03 122.39,60.06 126.21,60.06 126.4,60.25 126.4,64.2 EXSW2.A
  Bottom w0.203: EXSW2.A 125.23,66.23 121.28,66.23 112.05,56.99 98,56.99 94.66,53.66 94.66,48.96 91.86,46.16 85.23,46.16 81.76,42.69 81.76,37.58 80.8,36.62 70.59,36.62 68.88,38.34 U1.8
/left/REB: length 126.2
  Top w0.203: v1(120.59,67.6) 120.59,65.86 EXSW2.B
  Bottom w0.203: EXSW1.B 120.24,82.09 120.24,74.82 121.29,73.77 121.29,71.04 120.43,70.18 120.43,67.76 v1(120.59,67.6) ; U1.9 68.72,37.94 70.43,36.23 80.96,36.23 82.17,37.44 82.17,40.13 84.1,42.06 93.1,42.06 95.11,44.06 95.11,53.55 98.16,56.6 112.28,56.6 120.31,64.63 EXSW2.B 121.51,64.63 119.69,62.81 119.69,59.33 121.08,57.94 121.08,55.65 122.67,54.06 128.36,54.06 129.5,52.91 129.5,49.6 128.34,48.45 127.63,48.45 127.25,48.07 126.46,48.07 126.14,48.39 124.11,48.39 J3.2
/left/SWCLK: length 48.6
  Top w0.203: v1(33.82,47.55) 33.82,47.2 32.77,46.15 32.77,42.87 39.74,35.9 62.25,35.9 v1(62.79,36.44)
  Bottom w0.203: v1(62.79,36.44) 63.01,36.23 U1.24 ; J4.1 32.74,53.8 35.34,51.2 35.34,49.36 35.34,49.36 35.34,49.07 v1(33.82,47.55)
/left/SWD: length 55.8
  Top w0.203: v1(34.66,47.48) 33.16,45.98 33.16,43.03 39.91,36.29 43.89,36.29 43.9,36.29 47.2,36.29 47.21,36.29 61.37,36.29 61.87,36.79 v1(61.89,36.79)
  Bottom w0.203: v1(34.66,47.48) 34.66,47.83 35.73,48.91 35.73,49.2 35.73,49.2 35.73,51.48 33.56,53.65 33.56,54.88 32.68,55.76 28.28,55.76 26.67,54.15 J4.3 ; v1(61.89,36.79) 61.89,36.51 62.61,35.79 U1.25
/left/TX: length 101.2
  Top w0.203: v1(108.29,28.76) 106.79,28.76 v1(106.76,28.73)
  Top w0.25: J2.R 121.32,37.63 120.39,38.56 120.39,44.45 121.37,45.43 J2.R
  Bottom w0.203: J2.R 127.03,36.31 117.92,36.31 110.8,29.2 108.72,29.2 v1(108.29,28.76) ; 66.62,35.1 68.02,35.1 70.74,32.39 70.77,32.39 73.05,30.11 73.05,27.06 75.05,25.06 83.78,25.06 87.7,21.13 93.38,21.13 95.25,23 104.43,23 107.31,25.88 107.31,28.19 v1(106.76,28.73)
/left/USB_VBUS_PIN: length 125.9
  Top w0.25: v1(114,44.57) 114,38.5 v1(114.2,38.3) ; v1(113.96,46.67) 113.94,46.65 113.94,46.52 113.79,46.67 113.79,80.6 113.82,80.6 114.89,81.66 114.89,82.17 113.88,83.18 113.77,83.18 113.77,90.19 114.36,90.78 v1(115.32,90.78)
  Bottom w0.203: v1(114.2,38.3) 115.22,37.29 115.22,34.17 110.64,29.59 108.28,29.59 107.7,29.01 107.7,25.69 104.61,22.61 95.41,22.61 93.55,20.74 87.53,20.74 83.61,24.66 74.89,24.66 72.66,26.9 72.66,29.94 70.61,31.99 70.57,31.99 68.23,34.33 66.45,34.33 66.21,34.58 U1.16
  Bottom w0.25: R8.2 115.32,91.56 R9.1 ; v1(113.96,46.67) 113.96,44.61 v1(114,44.57)
/right/D+: length 128.3
  Top w0.203: v1(200.67,78.89) 200.67,83.06 v1(200.54,83.19) ; v1(205,55.83) 205.03,55.8 205.03,54.55 206.42,53.16 206.42,51.17 207.73,49.86 v1(207.73,48.28) ; v1(150.67,85.6) 150.83,85.76 157.68,85.76 v1(158.54,84.9) ; v1(162.51,87.6) 162.51,88.93 v1(162.51,88.93)
  Bottom w0.203: v1(207.73,48.28) 207.73,48 205.74,46.01 rR4.1 ; v1(158.54,84.9) 158.54,85.31 160.31,87.08 160.31,87.08 160.42,87.19 rU3.7 rU3.4 162.1,87.19 v1(162.51,87.6) ; v1(200.67,78.89) 200.3,78.52 200.3,65.88 204.16,62.02 204.16,57.71 205.02,56.85 205.02,55.85 v1(205,55.83) ; rU3.10 rU3.1 162.26,88.69 v1(162.51,88.93) 162.7,89.13 162.7,93.62 163.38,94.3 164.27,94.3 164.83,93.74 181.38,93.74 183.93,96.29 198.77,96.29 200.28,94.78 200.28,83.45 v1(200.54,83.19) ; rJ1.A6 150.65,85.62 v1(150.67,85.6) ; 160.84,88.73 159.28,88.73 158.43,87.88 158.43,86.31 157.58,85.46 152.23,85.46 151.65,86.04 rJ1.B6
